# Altium PCB Guppy.PcbDoc (part 2 of 2)
Units mil, origin at the board's own origin, x right, y up, seen from the top; angles counter-clockwise.
Board outline 1250 x 5000 mil, 4 copper layers (Top Layer, Int1, Int2, Bottom Layer), stack 53.911 mil thick; 114 components, 86 nets, 506 pads, 194 vias.
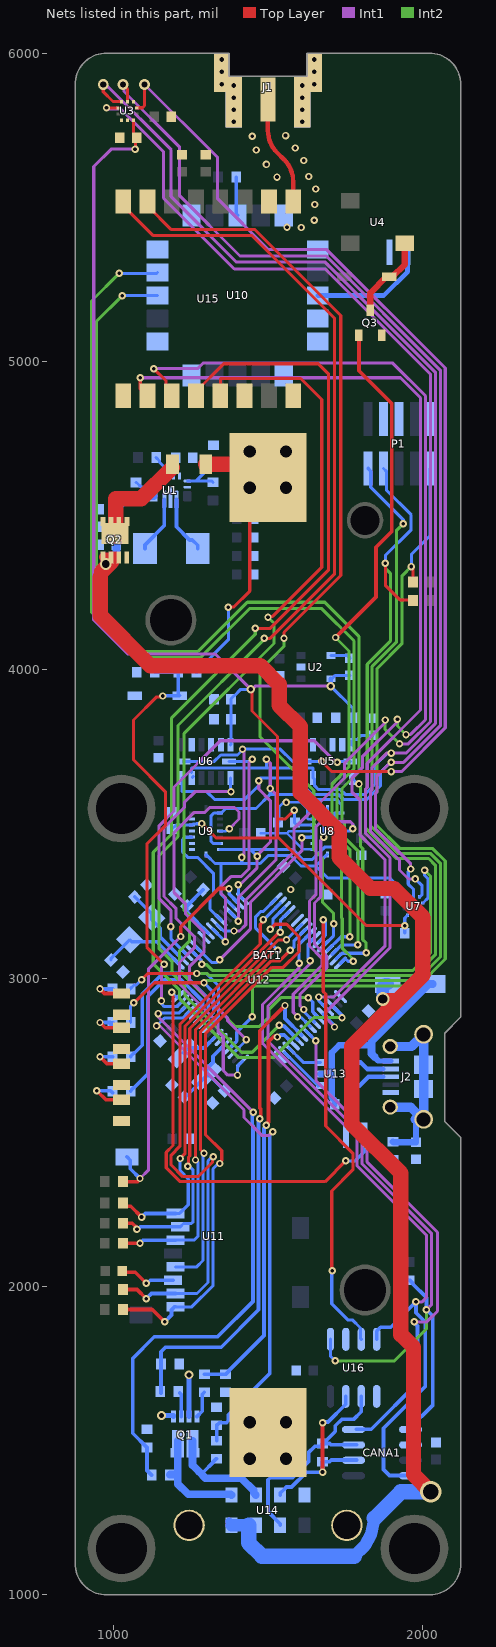
[diagram p4: the nets of this part, all layers, seen from the top]

## Via types
v1: diameter 24, hole 12, Top Layer to Bottom Layer, tented both sides, 158 vias
v2: diameter 27, hole 15, Top Layer to Bottom Layer, 14 vias
v3: diameter 30, hole 18, Top Layer to Bottom Layer, tented both sides, 6 vias
v4: diameter 30, hole 15, Top Layer to Bottom Layer, tented both sides, 3 vias
v5: diameter 28, hole 16, Top Layer to Bottom Layer, tented both sides, 3 vias
v6: diameter 35, hole 20, Top Layer to Bottom Layer, 3 vias
v7: diameter 28, hole 15, Top Layer to Bottom Layer, tented both sides, 2 vias
v8: diameter 35, hole 20, Top Layer to Bottom Layer, tented both sides, 1 vias
v9: diameter 44, hole 30, Top Layer to Bottom Layer, tented both sides, 1 vias
v10: diameter 38, hole 25, Top Layer to Bottom Layer, tented both sides, 1 vias
v11: diameter 30, hole 16, Top Layer to Bottom Layer, tented both sides, 1 vias
v12: diameter 70, hole 50, Top Layer to Bottom Layer, tented both sides, 1 vias

## Nets (pads, with @x,y where several pads share a name; then routed paths per layer and width w, separated by ;. In a path a pad name is that pad's centre, name@x,y a point inside that pad or via, vN(x,y) a via of type N, cw(c..) or ccw(c..) an arc to the next point about the centre after c; other vN are vias at no path point) (continued)
ACCEL_INT_2: U8.16 U12.39 | length 785.7
  Int1 w10: v1(1616.14,2898.43) 1616.14,2898.49 1603.35,2911.28 1603.35,2946.81 1690.76,3034.22 1690.76,3070.86 1651,3110.62 1651,3243.57 1671.31,3263.89 1671.31,3447.01 v1(1681.39,3457.09)
  Bottom Layer w10: v1(1616.14,2898.43) 1616.14,2891.81 U12.39@1651.53,2856.42 ; v1(1681.39,3457.09) 1681.39,3536.13 1692.72,3547.46 U8.16@1692.72,3552.17
ADXL_CS_1: U6.7 U12.9 | length 797
  Int1 w10: v1(1362,3118.11) 1362,3261.35 1347.06,3276.29 1347.06,3295.97 1381.09,3330 1413.89,3330 1438,3354.11 1438,3698.82 v1(1449.18,3710)
  Bottom Layer w10: U12.9@1320.24,3159.87 v1(1362,3118.11) ; U6.7@1373.62,3703.15 1442.33,3703.15 v1(1449.18,3710)
ADXL_CS_2: U5.7 U12.3 | length 1269.9
  Int1 w10: v1(1185.04,3167.23) 1185.04,3219.96 1147,3258 1147,3494.36 1195,3542.36 1195,3620 1345,3770 1650,3770 1720,3700 v1(1725,3700)
  Bottom Layer w10: v1(1185.04,3167.23) 1185.04,3128.04 U12.3@1236.73,3076.35 ; v1(1725,3700) 1725,3701.3 1723.15,3703.15 U5.7@1767.32,3703.15
ADXL_INT_1: U6.8 U12.49 | length 1332.9
  Int1 w10: v1(1380.16,3605) 1263.9,3605 1228.9,3570 1228.9,3553.63 1163,3487.73 1163,3264.63 1201.04,3226.59 1201.04,3195.08 1261.15,3134.97 1261.15,3099.03 1212.9,3050.77 1212.9,2980.95 1337.64,2856.2 1337.64,2827.21 1355,2809.85 1355,2700.23 1369.7,2685.53 v1(1401.13,2685.53)
  Bottom Layer w10: U6.8@1378.7,3649.18 1378.7,3606.46 v1(1380.16,3605) ; v1(1401.13,2685.53) 1401.36,2685.76 1401.36,2712.11 1403.76,2714.51 1402.4,2715.87 U12.49@1417.68,2731.15
ADXL_INT_2: U5.8 U12.31 | length 693.5
  Int2 w10: v1(1795,3630) 1800.68,3624.32 1800.68,3426.8 1807.58,3419.89 1807.58,3124.9 1818.34,3114.13 v1(1818.34,3082.11)
  Bottom Layer w10: U12.31@1721.12,3062.43 1721.61,3062.43 1739.91,3080.73 1816.96,3080.73 v1(1818.34,3082.11) ; U5.8@1772.4,3649.18 1791.58,3630 v1(1795,3630)
BAT_SNS_A: D2.2 R11.1 R12.2 U12.63 | length 1434
  Top Layer w10: v1(1158.69,3915.16) 1156.01,3912.48 1139.03,3912.48 1063.68,3837.13 1063.68,3708.33 1166.96,3605.05 1166.96,3494.64 1107.33,3435 1107.33,3100.67 v1(1163,3045)
  Int1 w10: v1(1154.37,2926.02) 1154.37,3036.37 v1(1163,3045)
  Bottom Layer w10: R12.2@1133.15,3992.27 R11.1@1209.1,3992.27 1209.1,3921.52 D2.2@1214.02,3916.6 1213.29,3915.88 1159.41,3915.88 v1(1158.69,3915.16) ; v1(1154.37,2926.02) 1154.3,2926.02 1150.51,2922.23 1157.22,2915.53 1157.22,2914.54 1164.03,2907.72 1204.02,2907.72 1222.32,2926.02 U12.63@1222.81,2926.02
BMP_CS_1: U3.6 U12.10 | length 3853.1
  Top Layer w10: v1(976.26,5823.13) U3.6@1014.23,5823.13
  Int1 w10: v1(976.26,5823.13) 976.26,5819.45 1022.52,5819.45 1161.32,5680.65 1161.32,5529.94 1391.16,5300.1 1685.72,5300.1 2027,4958.82 2027,3832 1955,3760 v1(1926.63,3760) ; v1(1389.89,3152.83) 1407.61,3152.83 1428,3173.23 1428,3253.57 1585,3410.57 1585,3485.96 1748,3648.96 1748,3697.26 1880,3829.26 v1(1880,3837.32)
  Int2 w10: v1(1880,3837.32) 1880,3806.63 v1(1926.63,3760)
  Bottom Layer w10: U12.10@1334.16,3173.79 1334.65,3173.79 1355.61,3152.83 v1(1389.89,3152.83)
BMP_CS_2: U7.6 U12.4 | length 1228
  Int2 w10: v1@1280.31,3050.15 1280.46,3050 v1@1280.92,3050 ; v1(1285,3045) 1286.59,3043.41 1301.59,3043.41 1319.61,3025.39 1970.28,3025.39 2027,3082.11 2027,3330.7 v1(2008,3349.71)
  Bottom Layer w10: U12.4@1250.65,3090.27 1285,3055.92 v1(1285,3045) ; U7.6@2002.41,3243.46 2002.75,3243.46 2002.83,3243.54 2002.83,3243.88 2020,3261.05 2020,3321.58 2008,3333.59 v1(2008,3349.71)
BUZZER: Q3.1 U12.32 | length 2271.1
  Top Layer w12: v1(1719.25,4105.12) 1850.39,4236.26 1850.39,4397.44 1901.57,4448.62 1901.57,4863.7 1795,4970.28 Q3.1@1795,5085.43
  Int2 w10: v1(1719.25,4105.12) 1763,4061.37 1763,3685.63 1708,3630.63 1708,3497.45 1715.83,3489.62 1715.83,3443.76 1738.19,3421.4 1738.19,3196.09 1740.91,3193.37 1740.91,3097.05 1770.89,3067.06 1770.89,3064.62 1776.87,3058.64 v1(1776.87,3054.86)
  Bottom Layer w10: U12.32@1749.57,3063.04 1749.83,3063.29 1751.01,3063.29 1759.45,3054.86 v1(1776.87,3054.86)
  Bottom Layer w12: U12.32@1735.04,3048.51 U12.32@1749.57,3063.04
CAN_STBY_1: CANA1.8 U12.41 | length 1638.5
  Int1 w10: v1(1655.31,2796.96) 1655.31,2667.8 1820.93,2502.18 1820.93,2404.57 2050,2175.5 2050,1920 2015,1885 v1(1974.1,1885)
  Bottom Layer w10: U12.41@1623.69,2828.59 v1(1655.31,2796.96)
  Bottom Layer w12: CANA1.8@1786.92,1536.81 1835,1536.81 1985,1686.81 1985,1871.96 1974.1,1882.86 v1(1974.1,1885)
GND: BAT1.CELL- BAT2.- BAT3.- C1.2 C2.2 C3.2 C4.2 C5.2 C6.2 C7.2 C8.2 C9.2 C10.2 C11.2 C12.2 C13.2 C14.2 C15.2 C16.1 C17.2 C18.1 C19.2 C20.1 C21.2 C22.1 C23.2 C24.2 C25.2 C26.2 C27.2 C28.2 C40.1 C41.2 C42.1 C43.2 C44.2 C45.1 C46.1 C47.1 C48.1 C49.1 C50.1 C51.1 C52.2 C53.1 CANA1.2 D2.1 D3.1 D4.1 D5.1 D6.1 J1.G1 J1.G2 J1.G3 J1.G4 J1.G5 J1.G6 J1.G7 J1.G8 J2.5 P1.3 P1.5 P1.9 Q1.1 Q1.3 Q2.4 Q3.2 R4.2 R7.1 R8.2 R12.1 R17.1 R18.2 R57.2 U1.4 U1.6 U1.10 U1.15 U2.2 U2.4 U3.3 U3.8 U3.9 U5.2 U5.4 U5.5 U6.2 U6.4 U6.5 U7.3 U7.8 U7.9 U8.2 U8.4 U8.6 U8.7 U9.2 U9.4 U9.6 U9.7 U10.1 U10.4 U10.5 U10.6 U10.10 U10.11 U10.15 U10.16 U10.20 U11.6 U12.7 U12.22 U12.33 U12.47 U12.54 U13.2 U14.7 U14.S U15.1 U15.8 U15.10 U16.2 U16.5 | length 1147.7
  Top Layer w8: BAT1.CELL-@1437.53,1457.11 BAT1.CELL-@1443.9,1450.73 ; BAT1.CELL-@1437.53,1553.47 BAT1.CELL-@1440.94,1556.89 ; BAT1.CELL-@1529.33,1555.91 1555.12,1555.91 BAT1.CELL-@1557.09,1553.94
  Top Layer w12: C41.2@1027.56,2050 1031.84,2045.72 1069.28,2045.72 v1(1105,2010)
  Bottom Layer w8: C14.2@1476.74,3470 1532.8,3470 ; U8.6@1647.05,3437.4 U8.7@1647.05,3417.72 1613.46,3417.72 1561.17,3470 ; U8.4@1647.05,3476.77 1620.41,3476.77 1620.18,3477 1568.17,3477 1561.17,3470 ; U8.2@1647.05,3516.14 1630.85,3516.14 1627.7,3519.29 1627.7,3548.58 1606.27,3570 v1(1559.35,3570) 1550.17,3570 1537.22,3557.05 1537.22,3509.42 C26.2@1532.8,3505 1532.8,3470 ; U7.3@1952.71,3263.64 1953.63,3262.72 1953.63,3257.93 1972.39,3239.16 U7.9@1972.39,3203.6 ; 1532.8,3470 1561.17,3470
  Bottom Layer w10: U2.4@1704.02,4046.44 1757.24,4046.44 C8.2@1766.39,4037.29 ; U7.3@1952.71,3259.58 U7.3@1952.71,3263.64 ; U7.8@1992.08,3203.6 1992.08,3152.83 C25.2@1998.89,3146.02
  Bottom Layer w12: v1(1105,2010) 1107.71,2010 1118.03,2020.32 U11.6@1191.95,2020.32
  Bottom Layer w16: v5(1154.87,1581.34) Q1.1@1193.12,1581.34 ; Q1.1@1193.15,1577.87 Q1.1@1193.15,1581.32 ; Q1.3@1243.94,1577.87 v5(1243.94,1713.31)
  other v1: 1573.57,3287.39 1561.66,5435.27 1608.27,5434.99 1650.59,5458.46 1651.57,5509.65 1654.76,5559.84 1529.29,5598.44 1631.89,5600.2 1495.08,5639.57 1616.22,5652.36 1461.61,5686.42 1588.31,5692.72 1448.82,5730.69 1557.09,5733.07
  other v2: 1388.78,5777.36 1611.22,5777.36 1388.78,5816.73 1611.22,5816.73 1388.78,5856.1 1611.22,5856.1 1388.78,5895.47 1611.22,5895.47 1350,5900 1650,5900 1350,5940 1650,5940 1350,5980 1650,5980
GYRO_CS_1: U9.5 U12.11 | length 376.1
  Bottom Layer w10: U9.5@1253.35,3457.09 1229.96,3457.09 1222.81,3449.93 1222.81,3408.5 1239.65,3391.66 1271.32,3391.66 1323.94,3339.04 1323.94,3273.4 1312,3261.46 1312,3223.79 U12.11@1348.08,3187.71
GYRO_CS_2: U8.5 U12.5 | length 648.7
  Int1 w10: v1(1343.52,3060) 1444,3160.48 1444,3246.94 1609.77,3412.71 1609.77,3454.77 v1(1610,3455)
  Bottom Layer w10: U12.5@1264.57,3104.19 1318.61,3050.15 1333.67,3050.15 v1(1343.52,3060) ; v1(1610,3455) 1612.09,3457.09 U8.5@1647.05,3457.09
GYRO_INT_1: U9.12 U12.51 | length 1218
  Int1 w10: v1(1375,3485) 1406,3516 1406,3539 1391.37,3553.63 1311.09,3553.63 1294.19,3536.73 1259.64,3536.73 1195.59,3472.69 1195.59,3277.29 1233.04,3239.84 1233.04,3208.34 1293.15,3148.23 1293.15,3085.67 1244.9,3037.42 1244.9,2994.2 1369.64,2869.46 1369.64,2861.1 v1(1430,2800.75)
  Bottom Layer w6: v1@1430,2799.15 v1(1430,2800.75)
  Bottom Layer w9: U9.12@1344.69,3476.77 1362.71,3476.77 1370.94,3485 v1(1375,3485) ; U12.51@1389.84,2758.99 v1@1430,2799.15
GYRO_INT_2: U8.12 U12.40 | length 943.8
  Int1 w10: v1(1595.85,2875.1) 1581.93,2889.02 1581.93,2948.02 1674.76,3040.85 1674.76,3064.23 1635,3103.99 1635,3250.2 1655.31,3270.51 1655.31,3490.14 1672.41,3507.24 1767.76,3507.24 1775,3500 v1(1775,3485)
  Bottom Layer w10: v1(1595.85,2875.1) 1598.35,2872.6 1607.51,2872.6 U12.40@1637.61,2842.5 ; U8.12@1738.39,3476.77 1764.74,3476.77 1780,3492.03 1778.71,3493.31 1775,3489.6 v1(1775,3485)
LED_1: P1.4 R13.1 R58.1 U12.57 | length 3301.5
  Top Layer w10: v1(1090,2995) 1110,3015 v1(1269.13,3015) ; v1(1880.91,4346.26) 1880.91,4274.03 1927.97,4226.97 1970.47,4226.97 R58.1@1970.47,4225
  Int2 w10: v1(1269.13,3015) 1302.94,3015 1309.28,3008.66 1976.18,3008.66 2043,3075.48 2043,3366.37 2021.37,3388 1915.63,3388 1817,3486.63 1817,3613.37 1822,3618.37 1822,4017.88 1897.06,4092.94 1897.06,4312.94 1880.91,4329.09 v1(1880.91,4346.26)
  Bottom Layer w10: R13.1@1054.53,2965 1054.53,2966.97 1065.28,2977.72 1072.72,2977.72 v1(1090,2995) ; v1(1269.13,3015) 1300,3015 1338.92,2976.08 1338.92,2875.1 U12.57@1306.33,2842.5 ; P1.4@1874.98,4653.11 1883.86,4644.23 1883.86,4583.19 1964.35,4502.7 1964.35,4454.31 1880.91,4370.87 v1(1880.91,4346.26)
LED_2: P1.2 R14.1 U12.58 | length 3110.8
  Top Layer w10: v1(1065,2920) 1065,2918.3 1131.7,2985 v1(1292.41,2985)
  Int2 w10: v1(1292.41,2985) 1299.33,2991.93 1982.07,2991.93 2059,3068.85 2059,3373 2028,3404 1922.25,3404 1833,3493.25 1833,3606.75 1838,3611.75 1838,4011.25 1916.34,4089.59 1916.34,4451.57 v1(1938.98,4474.21)
  Bottom Layer w10: R14.1@1054.53,2856.42 1054.53,2909.53 v1(1065,2920) ; U12.58@1292.41,2856.42 1322.92,2886.94 1322.92,2954.49 v1(1292.41,2985)
  Bottom Layer w12: P1.2@1824.98,4653.11 1833.54,4644.54 1833.54,4592.68 1938.98,4487.24 v1(1938.98,4474.21)
LED_3: R15.1 U12.59 | length 570.5
  Bottom Layer w12: R15.1@1054.53,2745 1054.53,2746.97 1064.28,2756.72 1066.24,2756.72 1092,2782.47 1092,2948.31 1158.69,3015 1225.55,3015 1300.61,2939.94 1300.61,2938.78 1305.92,2933.48 1305.92,2897.91 1278.49,2870.48 U12.59@1278.49,2870.34
LED_4: R16.1 U12.60 | length 612.1
  Bottom Layer w12: R16.1@1054.53,2633.21 1054.53,2635.18 1064.28,2644.92 1066.24,2644.92 1110,2688.68 1110,2940.86 1164.14,2995 1218.94,2995 1287.92,2926.02 1287.92,2907.61 U12.60@1264.57,2884.26
MISO: U3.5 U5.12 U6.12 U7.5 U8.10 U8.15 U9.10 U9.15 U12.13 | length 5814.9
  Top Layer w10: v6(965.81,5898.85) 965.81,5875.03 997.12,5843.72 1024.49,5843.72 1024.57,5843.64 U3.5@1024.57,5843.31 ; v1(1495,3710) v1@1498.54,3710
  Int1 w10: v6(965.81,5898.85) 972.57,5898.85 981.5,5889.92 982.84,5889.92 1186.02,5686.74 1186.02,5534.81 1398.19,5322.64 1685.81,5322.64 2043,4965.45 2043,3825.37 1947.63,3730 v1(1900,3730) 1884.96,3730 1838,3683.04 1838,3611.75 1833,3606.75 1833,3475.7 1926.63,3382.07 1926.63,3351 1955.82,3321.8 v1(1978.18,3321.8) ; v1(1403.76,3184.68) 1403.76,3261.37 1526.25,3383.86 1526.25,3596.25 v1(1507.5,3615) 1507.5,3697.5 v1(1495,3710)
  Bottom Layer w10: U6.12@1252.44,3667.44 1252.44,3682.18 1495,3682.18 ; U6.12@1255.14,3651.6 U6.12@1257.56,3654.02 ; U9.10@1344.69,3437.4 1321.57,3437.4 1315.71,3443.26 1315.71,3527.2 1324.33,3535.83 U9.15@1344.69,3535.83 1348.96,3535.83 1363.33,3550.2 1389.68,3550.2 1389.89,3550 1461.28,3550 1507.5,3596.22 ; U12.13@1375.92,3215.55 1406.79,3184.68 v1(1403.76,3184.68) ; v1(1495,3710) 1495,3682.18 ; v1(1507.5,3615) 1507.5,3596.22 ; U8.10@1738.39,3437.4 1723.52,3437.4 1715.83,3445.1 1715.83,3535.83 U8.15@1738.39,3535.83 1738.39,3562.74 1721.12,3580 1636.06,3580 1619.84,3596.22 1507.5,3596.22 ; v1(1900,3730) 1887.34,3730 1849,3691.66 1849,3630.39 1814.61,3596 1750.38,3596 1734.38,3612 1663.16,3612 1651.26,3623.9 1651.26,3644.33 U5.12@1646.42,3649.18 1646.42,3679.69 1643.92,3682.18 1495,3682.18 ; v1(1978.18,3321.8) 2000,3299.99 2000,3271.56 U7.5@1992.08,3263.64
MOSI: U3.4 U5.13 U6.13 U7.4 U8.9 U9.9 U12.16 | length 5265.3
  Top Layer w10: v6(1030.02,5898.85) 1044.25,5884.61 U3.4@1044.25,5843.31
  Int1 w10: v6(1030.02,5898.85) 1033.26,5895.6 1033.26,5876.13 1212.6,5696.79 1212.6,5539.08 1409.35,5342.32 1688.98,5342.32 2059,4972.3 2059,3818.75 1940.25,3700 v1(1900,3700) 1897.47,3700 1854,3656.53 1854,3605.12 1849,3600.12 1849,3485.11 1963,3371.11 v1(1963,3354.11) ; v1(1403.76,3302.61) 1409.13,3302.61 1465,3358.49 v1(1465,3395) 1465,3398.79 1507.56,3441.35 1507.56,3575.77 1470,3613.33 v1(1470,3640)
  Bottom Layer w10: U6.13@1221.22,3649.18 1221.22,3605 1301.64,3605 1326.64,3580 1425,3580 1470,3625 v1(1470,3640) 1465,3640 1474.18,3649.18 U5.13@1614.92,3649.18 1614.92,3623.77 1642.69,3596 1727.75,3596 1743.75,3580 1821.23,3580 1865,3623.77 1865,3667.53 1890.47,3693 1893,3693 v1(1900,3700) ; U9.9@1344.69,3417.72 1442.33,3417.72 ; v1(1403.76,3302.61) 1403.76,3272.41 1407.63,3268.54 1407.63,3267.35 U12.16@1417.68,3257.3 ; v1(1465,3395) 1442.33,3417.72 ; U8.9@1738.39,3417.72 1738.31,3417.8 1714.04,3417.8 1706.83,3425 1684,3425 1667.4,3408.4 1667.4,3408.24 1644.16,3385 1612.64,3385 1579.93,3417.72 1442.33,3417.72 ; v1(1963,3354.11) 1955,3346.11 1955,3304.78 1972.39,3287.39 U7.4@1972.39,3263.64
NetB1_2: B1.2 C50.2 U12.8 | length 190.9
  Bottom Layer w12: C50.2@1237,3233.62 1236.31,3232.92 1236.31,3219.14 1239.69,3215.75 1239.69,3212.58 U12.8@1306.33,3145.95 ; C50.2@1237,3234.08 B1.2@1289.27,3286.35
NetBAT3_+: BAT3.+ U10.3 | length 386.1
  Bottom Layer w15: U10.3@1661.42,5214.37 1875.98,5214.37 1952.76,5291.14 BAT3.+@1952.76,5354.13
NetC10_1: C10.1 U1.3 | length 62.7
  Bottom Layer w10: U1.3@1193.35,4628.86 1193.35,4680.39 C10.1@1201.26,4688.31
NetC45_2: C45.2 J2.SHIELD R57.1 | length 674.5
  Bottom Layer w20: R57.1@1905,2469.53 1906.97,2467.56 C45.2@1980,2467.56 1980,2542.2 1980,2542.4 J2.SHIELD@1980,2542.59
  Bottom Layer w30: J2.SHIELD@1896.73,2581.57 1963.43,2581.57 J2.SHIELD@2002.6,2542.4 ; J2.SHIELD@1896.73,2778.43 1965.63,2778.43 J2.SHIELD@2005,2817.8 J2.SHIELD@2005,2719.37 J2.SHIELD@2005,2640.63 ; J2.SHIELD@1977.6,2542.4 J2.SHIELD@1980,2542.4 ; J2.SHIELD@2005,2542.59 J2.SHIELD@2005,2640
NetC47_2: C47.2 U12.1 X1.2 | length 278.8
  Bottom Layer w10: C47.2@990.51,3059.49 990.51,3063.04 X1.2@1051.85,3124.37 1058.11,3118.11 1139.29,3118.11 U12.1@1208.89,3048.51
NetC49_2: C49.2 U12.2 X1.1 | length 265.9
  Bottom Layer w12: C49.2@1067.85,3263.64 1122.84,3208.66 X1.1@1122.84,3195.36 1122.84,3189.27 1150.51,3161.59 1150.51,3133.84 1221.92,3062.43 U12.2@1222.81,3062.43
NetCANA1_1: CANA1.1 R21.2 U12.26 U16.1 | length 2543.1
  Int1 w10: v1(1636.57,3056.89) 1636.57,3046.34 1500,2909.77 1500,2795.08 1804.93,2490.15 1804.93,2397.94 2030,2172.87 2030,1940 v1(2013.95,1923.95)
  Int2 w10: v1(1718.5,1758.66) 1910.6,1758.66 2013.95,1862.01 v1(2013.95,1923.95)
  Bottom Layer w10: v1(1636.57,3056.89) 1629.93,3063.54 1629.93,3110.43 U12.26@1651.53,3132.03 ; U16.1@1702.56,1828.54 1702.56,1774.61 v1(1718.5,1758.66)
  Bottom Layer w12: R21.2@1957.17,2020.47 1959.13,2020.47 1968.88,2010.72 1968.88,2008.76 2013.97,1963.67 2013.97,1923.97 2035,1902.95 2035,1615.55 1956.13,1536.69 1962.26,1537.61 CANA1.1@1970,1538.77
NetCANA1_4: CANA1.4 U12.25 U16.4 | length 2416.9
  Int1 w10: v1(1601.11,3048.51) 1601.11,3033.5 1482.28,2914.68 1482.28,2789.17 1788.93,2482.53 1788.93,2391.31 2013.97,2166.27 2013.95,1963.95 2000,1950 v1(1980,1950)
  Bottom Layer w10: v1(1601.11,3048.51) 1601.11,3109.45 U12.25@1637.61,3145.95
  Bottom Layer w12: U16.4@1852.56,1828.54 1852.56,1855.07 1865.4,1867.91 1897.91,1867.91 v1(1980,1950) 1980,1915 2010,1885 2010,1675 1875,1540 1875,1405.91 1894.09,1386.81 CANA1.4@1971.96,1386.81
NetD3_2: D3.2 R13.2 | length 116.5
  Top Layer w12: v1(955,2965) 969.53,2950.47 D3.2@1025,2950.47
  Bottom Layer w12: v1(955,2965) R13.2@995.47,2965
NetD4_2: D4.2 R14.2 | length 120.8
  Top Layer w12: v1(955,2856.2) 972.09,2839.11 D4.2@1025,2839.11
  Bottom Layer w12: v1(955,2856.2) 987.7,2856.2 R14.2@994.19,2849.7
  Bottom Layer w20: R14.2@994.19,2849.7 R14.2@995.47,2850.98
NetD5_2: D5.2 R15.2 | length 119.8
  Top Layer w12: v1(955,2745) 977.64,2722.36 D5.2@1025,2722.36
  Bottom Layer w12: v1(955,2745) R15.2@995.47,2745
NetD6_2: D6.2 R16.2 | length 145.3
  Top Layer w12: v1(945,2635) 974.29,2605.71 D6.2@1025,2605.71
  Bottom Layer w12: v1(945,2635) 988.9,2635 R16.2@995.47,2628.43
NetD7_1: D7.1 Q3.3 U4.2 | length 275.5
  Top Layer w20: Q3.3@1831.69,5166.14 1831.69,5222.24 1883.86,5274.41 D7.1@1893.7,5274.41 1903.54,5274.41 1943.9,5314.76 U4.2@1943.9,5383.66
NetF1_2: F1.2 Q2.5 | length 347.9
  Top Layer w40: F1.2@1189.96,4656.3 F1.2@1189.96,4667.13
  Top Layer w50: Q2.5@1005.87,4443.96 1005.87,4555 1088.66,4555 F1.2@1189.96,4656.3
NetJ1_S1: J1.S1 U15.9 | length 356.3
  Top Layer w14.4: J1.S1@1500,5850.2 1500,5748.9 ccw(c1600,5748.9) 1529.29,5678.19 1552.4,5655.08 cw(c1481.69,5584.37) 1581.69,5584.37 U15.9@1581.69,5519.12
NetL1_1: L1.1 U1.11 | length 185.8
  Bottom Layer w12: L1.1@1100.98,4393.31 1100.98,4405.12 1163.82,4467.96 U1.11@1163.82,4553.07
NetL1_2: L1.2 U1.9 | length 193.6
  Bottom Layer w12: U1.9@1203.19,4553.07 1203.19,4463.94 1245.82,4421.3 1254.77,4421.3 1272.24,4403.83 L1.2@1272.24,4393.31
NetQ1_2: Q1.2 R6.2 | length 78.6
  Bottom Layer w12: R6.2@1213.72,1654.25 1219.13,1648.83 Q1.2@1219.13,1577.87
NetQ1_4: Q1.4 R10.2 | length 88.4
  Bottom Layer w12: Q1.4@1269.92,1577.87 1287.01,1594.96 1287.01,1649.83 R10.2@1293.66,1656.48
NetQ1_5: Q1.5 R9.1 U14.3 | length 404.9
  Bottom Layer w12: 1276.54,1398.78 1291.63,1398.78 1321.77,1428.91 1321.77,1430.88 1331.52,1440.63 R9.1@1333.48,1440.63
  Bottom Layer w25: Q1.5@1255.45,1499.82 1255.45,1419.86 1276.54,1398.78 1297.28,1378.03 1413.58,1378.03 1453.44,1338.17 1453.44,1330.61 U14.3@1460.63,1323.43
NetQ1_7: Q1.7 R5.1 U14.1 | length 355.5
  Bottom Layer w25: R5.1@1182.32,1388.96 1183.18,1389.82 1207.62,1389.82 ; Q1.7@1207.62,1499.82 1207.62,1389.82 ; U14.1@1381.89,1323.43 1379.72,1325.59 1241.04,1325.59 1207.62,1359.02 1207.62,1389.82
NetR1_1: R1.1 U1.1@1153.98,4628.86 U1.14 | length 121.6
  Bottom Layer w10: R1.1@1071.75,4607.83 1073.72,4607.83 1089.11,4592.44 U1.14@1128.39,4592.44 1148.12,4592.44 1153.98,4598.3 U1.1@1153.98,4628.86
NetR2_1: R2.1 R4.1 U1.5 | length 166.2
  Bottom Layer w10: U1.5@1238.62,4612.13 1265.86,4612.13 ; R2.1@1321.61,4608.31 1317.79,4612.13 1265.86,4612.13 ; R4.1@1323.82,4669.25 1322.98,4669.25 1265.86,4612.13
NetR3_1: R3.1 U1.2 | length 74.4
  Bottom Layer w10: R3.1@1137.47,4688.31 1148.22,4677.56 1148.22,4673.31 1173.66,4647.86 U1.2@1173.66,4628.86
NetR5_2: R5.2 R8.1 U12.62 | length 2038.1
  Int1 w10: v1(1143.72,2885) 1143.72,2873.72 v1(1452.12,2565.31)
  Bottom Layer w10: v1(1143.72,2885) 1145.06,2886.34 1210.97,2886.34 U12.62@1236.73,2912.1
  Bottom Layer w12: R5.2@1122.01,1388.38 1107.34,1403.04 R8.1@1107.34,1477.72 1061.06,1524 1061.06,1766.02 1131.46,1836.42 1336.61,1836.42 1451.42,1951.22 1451.42,2520.64 1449.33,2522.73 1449.33,2554.04 1449.82,2554.53 1449.82,2562.03 1449.33,2562.53 v1(1452.12,2565.31)
NetR6_1: R6.1 R7.2 U12.42 | length 1651.2
  Top Layer w12: v1(1473.33,2544.1) 1476.12,2546.89 1476.12,2575.25 1473.33,2578.04 1473.33,2829.44 v1(1555.12,2911.22)
  Bottom Layer w12: R6.1@1152.79,1654.25 R7.2@1152.79,1748.78 1152.79,1788.42 1167.32,1802.95 1348.4,1802.95 1469.42,1923.97 1469.42,2540.19 v1(1473.33,2544.1) ; v1(1555.12,2911.22) 1555.12,2869.32 U12.42@1609.77,2814.67
NetR9_2: R9.2 R18.1 U12.61 | length 1767.9
  Int1 w10: v1(1138.69,2845) 1149.81,2845 1422,2572.81 1422,2548 1479.76,2490.24 1504.33,2490.24 v1(1515.76,2501.67)
  Bottom Layer w10: v1(1138.69,2845) 1164.03,2870.34 1222.81,2870.34 U12.61@1250.65,2898.18
  Bottom Layer w12: R9.2@1333.48,1499.68 R18.1@1333.48,1549.25 1341.62,1557.39 1364.03,1557.39 1371.06,1564.42 1371.06,1583.46 1505.42,1717.82 1505.42,2491.33 v1(1515.76,2501.67)
NetR10_1: R10.1 R17.2 U12.44 | length 1282.2
  Top Layer w12: v1(1494.55,2522.89) 1494.55,2526.13 1501.97,2533.55 1501.97,2794.09 1518.65,2810.78 1528.59,2810.78 v1(1530.43,2808.94)
  Bottom Layer w12: R10.1@1293.66,1714.97 R17.2@1357.3,1714.97 ; R17.2@1362.05,1715.53 1364.02,1715.53 1373.76,1725.28 1373.76,1727.25 1487.42,1840.9 1487.42,2512.51 1494.55,2519.64 v1(1494.55,2522.89) ; v1(1530.43,2808.94) 1533.68,2808.94 1540.48,2815.75 1553.01,2815.75 U12.44@1566.69,2802.07
NetR19_2: R19.2 U10.18 | length 126.1
  Bottom Layer w12: R19.2@1396.65,5598.23 1396.65,5479.13 U10.18@1401.57,5474.21
NetU10_13: U10.13 U12.30 | length 3329.2
  Int2 w10: v1(1027.15,5213.8) 943.76,5130.41 943.76,4195.81 1079.72,4059.84 1273.62,4059.84 1433.07,4219.29 1684.57,4219.29 1795,4108.86 1795,3670 1740,3615 1740,3510.7 1747.83,3502.87 1747.83,3457.02 1791.58,3413.27 v1(1791.58,3108.07)
  Bottom Layer w10: v1(1027.15,5213.8) 1027.72,5214.37 U10.13@1141.73,5214.37 ; U12.30@1707.2,3076.35 1738.92,3108.07 v1(1791.58,3108.07)
NetU10_14: U10.14 U12.29 | length 3374.5
  Int2 w10: v1(1017.72,5286.22) 927.76,5196.26 927.76,4186.18 1074.76,4039.17 1280.51,4039.17 1439.96,4198.62 1674.35,4198.62 1779,4093.98 1779,3679 1724,3624 1724,3504.07 1731.83,3496.25 1731.83,3450.39 1765.75,3416.47 v1(1765.75,3134.34)
  Bottom Layer w10: v1(1017.72,5286.22) 1138.78,5286.22 U10.14@1141.73,5289.17 ; U12.29@1693.29,3090.27 1737.35,3134.34 v1(1765.75,3134.34)
NetU12_35: U12.35 U15.4 | length 3533.5
  Top Layer w10: U15.4@1266.73,4889.2 1266.73,4902.98 1356.67,4992.91 1663.39,4992.91 1695.87,4960.43 1695.87,4322.64 1507.87,4134.65 v1(1458.86,4134.65)
  Int2 w10: v1(1458.86,4134.65) 1458.86,4115.48 1187.6,3844.23 1187.6,3467.54 1127.95,3407.89 1127.95,3046.66 1213.58,2961.03 1213.58,2933.64 1405.3,2741.93 1517.54,2741.93 1647.46,2871.85 v1(1740.16,2871.85)
  Bottom Layer w12: U12.35@1707.2,2912.1 1740.16,2879.15 v1(1740.16,2871.85)
NetU12_36: U12.36 U15.3 | length 3418
  Top Layer w10: v1(1129.92,4977.17) 1169.85,4937.23 1169.85,4907.34 U15.3@1187.99,4889.2
  Int1 w10: v1(1129.92,4977.17) 1271.65,4977.17 1289.37,4994.88 1905.12,4994.88 2011,4889 2011,3838.63 1963,3790.63 1947.63,3790.63 v1(1947.63,3790) ; v1(1664.37,2938.78) 1713.6,2938.78 1880,3105.19 1880,3383.44 1798,3465.44 1798,3578.33 1772,3604.33 1772,3648.53 1806,3682.53 1806,3718.12 1917.32,3829.44 1917.32,3837.32 v1(1920,3840)
  Int2 w10: v1(1920,3840) 1920,3817.63 v1(1947.63,3790)
  Bottom Layer w10: v1(1664.37,2938.78) 1664.37,2927.1 U12.36@1693.29,2898.18
NetU12_37: U12.37 U15.2 | length 3301.9
  Top Layer w12: v1(1085.63,4947.64) 1085.63,4912.82 U15.2@1109.25,4889.2
  Int1 w10: v1(1085.63,4947.64) 1929.73,4947.64 1995,4882.37 1995,3869.9 1822,3696.9 1822,3618.37 1817,3613.37 1817,3469.07 1896,3390.07 1896,3098.56 1687.01,2889.57 1687.01,2870.44 v1(1715.83,2841.63)
  Bottom Layer w10: U12.37@1679.37,2884.26 v1@1715.83,2847.8
NetU15_6: U15.6
RF_BUSY: U12.43 U15.16 | length 3825.5
  Top Layer w10: U15.16@1030.51,5519.12 1030.51,5505.34 1126.6,5409.25 1446.85,5409.25 1716.11,5140 1716.11,4311.37 1506.9,4102.17 v1(1488.19,4102.17)
  Int2 w10: v1(1488.19,4102.17) 1488.19,4099.39 1208.27,3819.47 1208.27,3459.09 1147,3397.82 1147,3095.46 1189.08,3053.38 1189.08,3015.45 1231.16,2973.37 1231.16,2942.91 1414.42,2759.65 1448.61,2759.65 v1(1536.2,2847.24)
  Bottom Layer w12: v1(1536.2,2847.24) 1538.49,2844.94 1551.66,2844.94 U12.43@1595.85,2800.75
RF_CS: U12.38 U15.5 | length 3121.7
  Top Layer w10: U15.5@1345.47,4889.2 1345.47,4945.31 1606.1,4945.31 1674.35,4877.06 1674.35,4332.86 1515.24,4173.74 1502.68,4173.74 v1(1500,4171.06)
  Int2 w10: v1(1500,4171.06) 1519.68,4151.38 1519.68,4085.43 1228.23,3793.98 1228.23,3219.41 1246.06,3201.57 1246.06,3120.87 1212.6,3087.4 1212.6,3025.39 1394.69,2843.31 1472.21,2843.31 1503.94,2875.03 1503.94,2898.75 1542,2936.81 v1(1630.79,2936.81)
  Bottom Layer w10: v1(1630.79,2936.81) 1645.24,2922.36 1645.24,2891.04 1665.45,2870.83 U12.38@1665.45,2870.34
RF_DIO1: U12.28 U15.15 | length 3054.9
  Top Layer w10: U15.15@1109.25,5519.12 1109.25,5505.34 1186.64,5427.95 1457.68,5427.95 1736.22,5149.41 1736.22,4305.91 1552.17,4121.85 v1(1552.17,4102.17)
  Int2 w10: v1(1552.17,4102.17) 1552.17,4076.37 1474.18,3998.38 1474.18,3782.89 1648.62,3608.45 1648.62,3417.02 1677.17,3388.48 1677.17,3245.87 1713.15,3209.88 v1(1713.15,3175.98)
  Bottom Layer w10: U12.28@1679.37,3104.19 1713.15,3137.97 v1(1713.15,3175.98)
RS485_TE: U12.27 U16.3 | length 1561
  Top Layer w10: v1(1679.37,3189.27) 1679.37,2956.32 1687.37,2948.31 1687.37,2520.63 1775.48,2432.52 1775.48,2378.28 1706.83,2309.63 1706.83,2052.52 v1(1708.58,2050.77)
  Bottom Layer w10: U12.27@1665.45,3118.11 1665.45,3118.6 1686.02,3139.18 1686.02,3182.61 v1(1679.37,3189.27) ; v1(1708.58,2050.77) 1706.83,2049.02 1706.83,1943.56 1758.86,1891.54 1773.38,1891.54 1799.95,1864.96 1799.95,1831.15 U16.3@1802.56,1828.54
RST: P1.10 R59.1 U12.52 | length 2762.3
  Top Layer w10: v1(1965,4335) 1970.47,4329.53 R59.1@1970.47,4285
  Int2 w10: v1(1449.18,2875.1) 1449.18,2968.35 1455.04,2974.21 1986.99,2974.21 2075,3062.23 2075,3380 2035,3420 1928.88,3420 1849,3499.88 1849,3600.12 1854,3605.12 1854,4004.63 1935.29,4085.92 1935.29,4305.29 v1(1965,4335)
  Bottom Layer w10: U12.52@1375.92,2772.91 1398.62,2795.6 1398.62,2824.54 v1(1449.18,2875.1) ; v1(1965,4335) 1965,4374.25 2024.98,4434.23 P1.10@2024.98,4653.11
SCK: U3.2 U5.14 U6.14 U7.2 U8.8 U9.8 U12.14 | length 5006.7
  Top Layer w10: U3.2@1074.27,5823.13 1074.61,5823.13 1074.69,5823.21 1092.86,5823.21 1099.71,5830.06 v6(1099.71,5898.85) ; v1(1674.76,3703.15) 1707.91,3670 v1(1900,3670)
  Int1 w10: v6(1099.71,5898.85) 1336.61,5661.94 1336.61,5528.35 1501.97,5362.99 1690.93,5362.99 2075,4978.93 2075,3812.12 1932.88,3670 v1(1900,3670) ; v1(1415,3391.66) 1422,3398.66 1422,3747.31 v1(1417.37,3742.69)
  Bottom Layer w10: U6.14@1226.3,3703.15 1326.22,3703.15 1347.06,3723.99 1401.3,3723.99 v1@1420,3742.69 ; U9.8@1299.02,3401.38 1299.02,3397.11 1299.09,3397.03 1303.37,3397.03 1328.39,3372 1348.08,3372 ; U12.14@1389.84,3229.46 1389.84,3229.95 1360.04,3259.75 1360.04,3260.13 1348.08,3272.09 1348.08,3372 ; v1(1415,3391.66) 1415,3374.68 1417.68,3372 ; v1(1417.37,3742.69) v1@1420,3742.69 ; v1(1674.76,3703.15) U5.14@1620,3703.15 1579.74,3703.15 1540.21,3742.68 v1@1420,3742.68 ; U8.8@1692.72,3401.38 1655.31,3363.97 ; U7.2@1942.37,3243.46 1942.04,3243.46 1941.96,3243.54 1941.96,3243.88 1920,3265.84 1920,3300 1895,3325 1694.29,3325 1655.31,3363.97 ; 1348.08,3372 1417.68,3372 ; 1417.68,3372 1474.53,3372 1500.47,3397.94 1572.91,3397.94 1606.88,3363.97 1655.31,3363.97
SD_CD: R52.2 U11.CD U12.15 | length 1288.3
  Top Layer w12: R52.2@1029.53,2340 1077.97,2340 1085,2347.03 v1(1085,2350) ; v1(1217.04,3134.97) 1217.04,3167.04 1340.74,3290.74 1372.88,3290.74 v1(1373.62,3290)
  Int1 w10: v1(1085,2350) 1113,2378 1113,3030.94 v1(1217.04,3134.97)
  Bottom Layer w12: U11.CD@1042.34,2420.32 1053.21,2409.44 1053.21,2381.79 v1(1085,2350) ; v1(1373.62,3290) 1374.59,3289.02 1374.59,3272.55 U12.15@1403.76,3243.38
SD_CLK: U11.5 U12.24 | length 1338.1
  Top Layer w10: v1(1292.41,2431.57) 1281,2442.98 1281,2826.05 1510.87,3055.92 1538.42,3055.92 v1(1572.5,3090)
  Bottom Layer w10: U11.5@1199.82,2063.62 1269.11,2063.62 1289.49,2084 1289.49,2428.66 v1(1292.41,2431.57) ; v1@1573.09,3089.68 1585.11,3101.7 1585.11,3121.29 U12.24@1623.69,3159.87
SD_CMD: R48.2 U11.3 U12.17 | length 1529.7
  Top Layer w10: v1(1265,2410) 1265,2832.67 1522.33,3090 v1(1532.23,3090)
  Top Layer w12: R48.2@1029.53,2140 v1(1085,2140)
  Bottom Layer w10: U11.3@1199.82,2150.24 1260.24,2150.24 1273.49,2163.49 1273.49,2401.51 v1(1265,2410) ; U12.17@1526.25,3257.3 1485.74,3216.79 1477.54,3216.79 1460,3199.25 1460,3162.23 v1(1532.23,3090)
  Bottom Layer w12: v1(1085,2140) 1095.24,2150.24 U11.3@1199.82,2150.24
SD_DAT0: R49.2 U11.7 U12.18 | length 1922.4
  Top Layer w10: v1(1322.41,2420.32) 1320.52,2418.43 1320.52,2403.56 1272.96,2356 1224,2356 1186,2394 1186,2426 1214.24,2454.24 1214.24,2849.79 1475,3110.56 1475,3174.68 1485,3184.68 1479.68,3190 v1(1485,3190)
  Top Layer w12: R49.2@1029.53,1990 1075,1990 v1(1105,1960)
  Bottom Layer w10: U11.7@1199.82,1977.01 1269.93,1977.01 1305.49,2012.57 1305.49,2407.19 v1@1318.62,2420.32 ; v1@1320.51,2420.32 v1(1322.41,2420.32) ; v1(1485,3190) 1483.21,3190 1485,3188.21 U12.18@1540.17,3243.38
  Bottom Layer w12: v1(1105,1960) 1122.01,1977.01 U11.7@1199.82,1977.01
SD_DAT1: R51.2 U11.8 U12.19 | length 1890
  Top Layer w10: v1(1343.52,2398.83) 1343.52,2402.62 1350,2409.1 1350,2440 1297,2493 1297,2819.42 1512.58,3035 1550.03,3035 1600,3084.97 1600,3135.27 1560.59,3174.68 1523.73,3174.68 v1(1507.5,3158.45)
  Top Layer w12: R51.2@1029.53,1925 1125,1925 v1(1165,1885)
  Bottom Layer w10: U11.8@1199.82,1933.7 1253.3,1933.7 1321.49,2001.89 1321.49,2381.37 1338.95,2398.83 v1(1343.52,2398.83) ; v1(1507.5,3158.45) 1515.76,3166.71 1515.76,3191.13 U12.19@1554.09,3229.46
  Bottom Layer w12: v1(1165,1885) 1186.98,1906.98 1186.98,1923.95 1196.73,1933.7 U11.8@1199.82,1933.7
SD_DAT2: R50.2 U11.1 U12.20 | length 1359.9
  Top Layer w10: v1(1215,2415) 1215,2415.15 1230.24,2430.39 1230.24,2843.16 1536.2,3149.12 v1(1539.93,3149.12)
  Top Layer w12: R50.2@1029.53,2270 1039.25,2260.28 1054.72,2260.28 v1(1090,2225)
  Bottom Layer w6: v1@1213.14,2415 v1(1215,2415)
  Bottom Layer w10: U11.1@1199.82,2236.85 1213.6,2236.85 1241.49,2264.74 1241.49,2348.51 1215,2375 1215,2413.14 v1@1213.14,2415 ; v1(1539.93,3149.12) 1540.17,3149.36 1540.17,3187.71 U12.20@1568.01,3215.55
  Bottom Layer w12: v1(1090,2225) 1091.18,2225 1103.03,2236.85 U11.1@1199.82,2236.85
SD_DAT3: R47.2 U11.2 U12.23 | length 1399.5
  Top Layer w10: v1(1240,2390) 1242,2388 1242,2419.53 1246.24,2423.76 1246.24,2836.54 1533.17,3123.48 1559.35,3123.48 v1(1560.25,3124.37)
  Top Layer w12: R47.2@1029.53,2205 1060,2205 1075,2190 v1(1075,2185)
  Bottom Layer w10: U11.2@1215.57,2193.54 1226,2203.97 1251.63,2203.97 1257.49,2209.83 1257.49,2376.91 1251.29,2383.11 1250.68,2383.11 1243.79,2390 v1(1240,2390) v1@1237.41,2392.59 ; v1(1560.25,3124.37) 1560.35,3124.37 U12.23@1609.77,3173.79
  Bottom Layer w12: v1(1075,2185) 1078.25,2185 1086.79,2193.54 U11.2@1215.57,2193.54
SELF_BUS_H: CANA1.7 R20.2 U14.6 U16.6 | length 745.2
  Bottom Layer w12: U14.6@1539.37,1225 1539.37,1230.31 1500,1269.68 1500,1372.69 1507.03,1379.72 1579.72,1379.72 1631.89,1431.89 1631.89,1461.42 1651.58,1481.11 1669.82,1481.11 R20.2@1679.14,1490.43 ; CANA1.7@1786.92,1486.81 1703.62,1486.81 1700,1490.43 R20.2@1679.14,1490.43 ; U16.6@1802.56,1643.5 U16.6@1802.56,1643.5 1802.6,1593.74 1777.56,1568.7 1739.17,1568.7 1718.5,1548.03 1718.5,1529.79 R20.2@1679.14,1490.43
SELF_BUS_L: CANA1.6 R20.1 U14.5 U16.7 | length 603.6
  Top Layer w12: v1(1677.18,1397.82) 1676.68,1398.32 1676.68,1557.38 v1(1677.18,1557.87)
  Bottom Layer w12: U14.5@1539.37,1323.43 1539.37,1328.74 1553.06,1342.43 1553.3,1342.43 1560.08,1349.21 1576.5,1349.21 1624.72,1397.44 1676.79,1397.44 v1(1677.18,1397.82) R20.1@1677.18,1431.38 1700,1431.38 1705.43,1436.81 CANA1.6@1786.92,1436.81 ; v1(1677.18,1557.87) 1679.47,1560.17 1694.82,1560.17 1752.56,1617.91 U16.7@1752.56,1643.5
USB_CON_N: J2.2 U13.1 | length 116.5
  Bottom Layer w15: U13.1@1766.24,2726.48 1800.45,2726.48 1821.63,2705.29 J2.2@1874,2705.29
USB_CON_P: J2.3 U13.3 | length 119.4
  Bottom Layer w15: U13.3@1766.24,2651.67 1798.01,2651.67 1826.04,2679.7 J2.3@1874,2679.7
USB_N: U12.45 U13.6 | length 120.9
  Bottom Layer w10: U12.45@1568.23,2773.13 1614.58,2726.78 1669.47,2726.78 U13.6@1669.78,2726.48
USB_P: U12.46 U13.4 | length 163.8
  Bottom Layer w10: U12.46@1554.09,2758.99 U13.4@1661.41,2651.67 ; U13.4@1660.37,2651.67 U13.4@1661.41,2651.67 ; U13.4@1663.24,2649.84 U13.4@1661.41,2651.67 ; U13.4@1669.78,2651.67 U13.4@1661.41,2651.67
VBACKUP: BAT2.+ U12.64 | length 1371.8
  Top Layer w10: v1(1187.6,2954.49) 1190.28,2951.81 1190.28,2943.35 1192,2941.63 1192,2457 1170,2435 1170,2385 1215,2340 1685.29,2340 v1(1752.48,2407.19)
  Bottom Layer w10: v1(1187.6,2954.49) 1188.16,2954.49 1205.21,2937.44 1206.39,2937.44 U12.64@1208.89,2939.94 ; v1(1752.48,2407.19) 1783.12,2407.19 1812.35,2436.42 BAT2.+@1812.35,2468.81 ; BAT2.+@1807.5,2463.96 BAT2.+@1812.35,2468.81 ; BAT2.+@1812.35,2490.63 BAT2.+@1812.35,2468.81
VBAT: C1.1 C2.1 C3.1 D1.2 Q2.1 R1.2 U1.12 U1.13 U14.2 U14.4 | length 5218.9
  Top Layer w30: Q2.1@967.48,4365.91 991.24,4365.91 Q2.1@993.46,4365.91
  Top Layer w35: Q2.1@993.46,4351.74 993.46,4365.91 1005.87,4365.91
  Top Layer w40: v9(1872.05,2932.29) 1906.1,2932.29 1915.62,2922.76
  Top Layer w50: 955.9,4300 955.9,4175.79 1117.77,4013.93 1475.35,4013.93 1536.2,3953.07 1536.2,3884.98 1605.04,3816.13 1605.04,3601.95 1730.68,3476.31 1730.68,3392.07 1832.01,3290.74 1909.26,3290.74 2002.41,3197.59 2002.41,3009.56 1915.62,2922.76 1771.42,2778.56 1771.42,2527.06 1931.1,2367.37 1931.1,1843.9 1971.96,1803.04 1971.96,1389.81 v12(2028,1333.77) ; 960.86,4319.14 Q2.1@993.46,4351.74
  Bottom Layer w20: C3.1@1007.42,4464.53 C3.1@1008.21,4463.74 ; C1.1@1008.21,4405.85 C1.1@1008.82,4405.24 ; R1.2@1071.75,4548.78 R1.2@1073.72,4548.78
  Bottom Layer w25: v10(973.76,4343.31) v10(973.76,4343.31) 1008.82,4378.31 C1.1@1008.82,4405.24 ; C3.1@1007.42,4464.53 C2.1@1007.42,4520.99 1035.21,4548.78 R1.2@1071.75,4548.78 ; C1.1@1008.21,4405.85 C3.1@1008.21,4463.74 ; R1.2@1073.72,4548.78 1087.85,4562.91 U1.12@1128.39,4562.91 ; U14.2@1374.7,1237.5 1381.89,1230.31 U14.2@1381.89,1225
  Bottom Layer w40: U14.2@1381.89,1225 1437.53,1225 ; 1779.96,1125 1814.96,1160 1834,1195 1845,1247.52 ; v9(1872.05,2932.29) 1872.81,2933.05 1872.81,2972.56 1881.36,2981.1 D1.2@1888.78,2981.1
  Bottom Layer w50: 1437.53,1225 1437.53,1167.94 1480.47,1125 1779.96,1125 ; 1845,1247.52 1931.26,1333.77 v12@2002.98,1333.77
VBUS: C44.1 D1.1 J2.1 U13.5 | length 741.7
  Bottom Layer w16: 1856.74,2733.31 1858.74,2731.31 1898.57,2731.31 J2.1@1898.7,2731.18
  Bottom Layer w20: U13.5@1669.78,2689.07 1694.07,2689.07 1706.83,2701.83 ; C44.1@1716.19,2591.03 1716.19,2603.18 1706.83,2612.54 1706.83,2701.83 ; 1835.73,2782.47 1730.67,2782.47 1706.83,2758.64 1706.83,2701.83 ; 1846.03,2744.02 1856.74,2733.31
  Bottom Layer w25: 1846.03,2744.02 1835.73,2754.32 1835.73,2782.47 1835.73,2795.18 2021.65,2981.1 D1.1@2034.45,2981.1
VCELL: BAT1.CELL+ F1.1 R11.2 | length 908.5
  Top Layer w10: v1(1371.5,4203.54) 1371.85,4203.9 1389.33,4203.9 1440.94,4255.51 BAT1.CELL+@1440.94,4590.75 ; BAT1.CELL+@1434.77,4667.13 1434.77,4708.86 BAT1.CELL+@1440.94,4708.86 ; BAT1.CELL+@1555.53,4598.3 BAT1.CELL+@1560.41,4598.3 ; BAT1.CELL+@1559.06,4708.86 1561.97,4708.86 BAT1.CELL+@1560.41,4707.31
  Top Layer w50: F1.1@1298.23,4667.13 BAT1.CELL+@1434.77,4667.13
  Bottom Layer w10: R11.2@1268.15,3992.27 1268.15,3994.24 1371.5,4097.59 v1(1371.5,4203.54) ; BAT1.CELL+@1526.43,4590.75 1559.05,4590.55 BAT1.CELL+@1559.83,4589.78
VDDCORE: C42.2 C43.1 L3.1 U12.53 | length 303.7
  Bottom Layer w12: C43.1@1233.1,2615.51 L3.1@1300.61,2683.02 ; C42.2@1359.49,2634.49 1310.95,2683.02 L3.1@1300.61,2683.02 ; U12.53@1362,2786.83 1321.49,2746.31 1321.49,2726.48 1300.61,2705.6 L3.1@1300.61,2683.02
VS: C8.1 C12.1 C13.1 C18.2 C19.1 C22.2 C23.1 C25.1 C26.1 U2.5 U3.10 U5.6 U6.6 U7.10 U8.3 U9.3 | length 4857
  Top Layer w10: U3.10@1063.94,5783.27 1063.94,5735.93 C12.1@1074.17,5725.69 1069.8,5721.32 1069.8,5689.92 v1(1069.02,5689.13) ; v1(1285,3501.42) 1331.42,3455 1526.92,3455 1530.96,3459.04 ; v7@1440,3936.61 1448.17,3928.44 1448.17,3866.83 1530.96,3784.04 1530.96,3516.22 ; v1(1585,3545) 1556.22,3516.22 1530.96,3516.22 ; v1(1943.77,3170.34) 1819.66,3170.34 1530.96,3459.04 ; 1530.96,3459.04 1530.96,3516.22
  Int1 w10: v1(1069.02,5689.13) 991.5,5689.13 935,5632.64 935,4162.01 1046.02,4050.98 1329.63,4050.98 v7(1444,3936.61) 1448.17,3936.61 1458.86,3947.3 v7(1704.02,3947.3)
  Bottom Layer w10: C13.1@1187.6,3483.62 1188.58,3483.62 1201.42,3496.46 U9.3@1253.35,3496.46 1257.11,3500.22 1267.25,3500.22 1267.92,3500.89 1285,3500.89 v1(1285,3501.42) ; U6.6@1378.7,3757.12 1380.16,3758.58 C22.2@1380.16,3840 C23.1@1380.16,3905 1380.16,3905.98 1390.91,3916.73 1391.89,3916.73 1411.77,3936.61 v7(1444,3936.61) ; v1(1585,3545) 1585.49,3544.51 1585.49,3505 1594.03,3496.46 U8.3@1647.05,3496.46 ; v7(1704.02,3947.3) 1775.16,3876.16 C18.2@1775.16,3845 U5.6@1775.16,3771.57 ; U2.5@1704.02,3971.64 1707.96,3971.64 1718.49,3982.17 C8.1@1766.39,3982.17 ; U5.6@1772.4,3757.12 1772.4,3768.81 U5.6@1775.16,3771.57 ; C19.1@1840,3787.44 1802.72,3787.44 1788.93,3773.65 1777.24,3773.65 U5.6@1775.16,3771.57 ; C25.1@1943.77,3146.02 v1(1943.77,3170.34) 1943.77,3194.66 1952.29,3203.19 1952.63,3203.19 1952.71,3203.27 U7.10@1952.71,3203.6
  Bottom Layer w15: v7(1704.02,3947.3) U2.5@1704.02,3971.64
VSW: L3.2 U12.55 | length 132.1
  Bottom Layer w12: L3.2@1225.45,2758.19 1240.39,2773.13 1292.63,2773.13 U12.55@1334.16,2814.67
pads on no net: BAT1.CLIP1 BAT1.CLIP2 BAT1.CLIP3 J2.4 K1.1 K2.1 K3.1 K4.1 P1.6 P1.7 P1.8 U1.0 U1.1@1163.82,4537.8 U1.1@1163.82,4568.31 U1.1@1183.5,4578.07 U1.1@1203.19,4537.8 U1.1@1203.19,4568.31 U3.7 U4.3 U5.3 U5.9 U5.10 U5.11 U6.3 U6.9 U6.10 U6.11 U7.7 U8.1 U8.13 U9.1 U9.13 U10.7 U10.8 U10.9 U10.12 U10.19 U11.SHIELD1 U11.SHIELD2 U11.SHIELD3 U15.7 U15.11 U15.12 U15.14

## Polygon pours and split planes (outlines as drawn)
GND on Int1 "GND_INT1" (solid, pour order 9): 875,1100 875,5900 cw(c975,5900) 975,6000 1375,6000 1375,5925 1625,5925 1625,6000 2025,6000 cw(c2025,5900) 2125,5900 2125,2872.98 2073.51,2821.49 2073.51,2535.32 2125,2483.82 2125,1100 cw(c2025,1100) 2025,1000 975,1000 cw(c975,1100)
GND on Bottom Layer "GND_BOT" (solid, pour order 11): 875,1100 875,5900 cw(c975,5900) 975,6000 1375,6000 1375,5925 1625,5925 1625,6000 2025,6000 cw(c2025,5900) 2125,5900 2125,2872.98 2073.51,2821.49 2073.51,2535.32 2125,2483.82 2125,1100 cw(c2025,1100) 2025,1000 975,1000 cw(c975,1100)
GND on Top Layer "GND_TOP" (solid, pour order 8): 875,1100 875,5900 cw(c975,5900) 975,6000 1375,6000 1375,5925 1625,5925 1625,6000 2025,6000 cw(c2025,5900) 2125,5900 2125,2872.98 2073.51,2821.49 2073.51,2535.32 2125,2483.82 2125,1100 cw(c2025,1100) 2025,1000 975,1000 cw(c975,1100)
3V3 on Int2 "3V3_INT2" (solid, pour order 10): 875,1100 875,5900 cw(c975,5900) 975,6000 1375,6000 1375,5925 1625,5925 1625,6000 2025,6000 cw(c2025,5900) 2125,5900 2125,2872.98 2073.51,2821.49 2073.51,2535.32 2125,2483.82 2125,1100 cw(c2025,1100) 2025,1000 975,1000 cw(c975,1100)

## Silkscreen, mask and mechanical layers (free items; w line width, h text height)
Top Overlay:
  text "I O C" at 956.69,5932.87 h32
  text "A" at 1688.98,5573.62 h90
  text "T. Vrakas" at 1957.68,5239.96 h200 r270
  text "v3.1" at 1954,4106.65 h200 r270
  text "Thunder Guppy" at 1440,3825 h255 r270
  text "R" at 1077.72,3714.88 h200 r90
  text "2020" at 1948.82,3339.37 h200 r270
  text "1 2 3 4" at 915,2925 h55 r270
  text "J" at 1938.77,2410 h200 r270
  text "L" at 1065.79,1282.4 h150 r90
Bottom Overlay:
  text "M" at 2039.37,5495.87 h70
  text "PROG" at 1771.65,4849.21 h60 r90
  text "O" at 1923.7,3724.21 h140 r270
  text "uSD" at 960,2015 h60 r270
Top Mechanical:
  circle w11.81: c1201.54,3767.13 r1.57
  circle w11.81: c1239.96,3565.35 r1.57
  circle w11.81: c1633.66,3565.35 r1.57
  circle w11.81: c1595.24,3767.13 r1.57
  text "ADXL1" at 1450.78,3780.94 h31.5 r90
  text "ADXL2" at 1588.58,3778.64 h31.5 r90
  text "BMI2" at 1629.92,3548.01 h31.5 r90
  text "BMI1" at 1411.41,3542.43 h31.5 r90
Board Outline:
  lines w10: 1625,5925 1375,5925 1375,6000 975,6000 ccw(c975,5900) 875,5900 875,1100 ccw(c975,1100) 975,1000 2025,1000 ccw(c2025,1100) 2125,1100 2125,2480 ; 1625,5925.94 1625,6000 2025,6000 cw(c2025,5900) 2125,5900 2125,2872.98 2073.51,2821.49 2073.51,2535.32 2125,2483.82 ; 2100,2480 2100,2483.82
Mechanical 10:
  circle w3.94: c1255.91,3298.03 r1.39
  circle w3.94: c1255.91,3298.03 r22.66
  circle w3.94: c1104.33,3228.15 r22.66
  lines w5: 1012.8,3228.15 1104.33,3228.15 1104.33,3315.75
  text "+Y" at 1038.08,3320.68 h39.37
  text "+Z" at 1297.56,3208.47 h39.37
  text "+X" at 931.77,3202.57 h39.37
  text "out of page" at 1344.4,3143.38 h19.68
Mechanical 15:
  lines w2: 1500,815 1500,6885

## Text inside footprints (layer, text, board x,y; h text height)
J2: Mechanical 1 "Board Edge" at 2113.27,2778.43 h39.37 r90